# KiCad board splitsbits-left.kicad_pcb
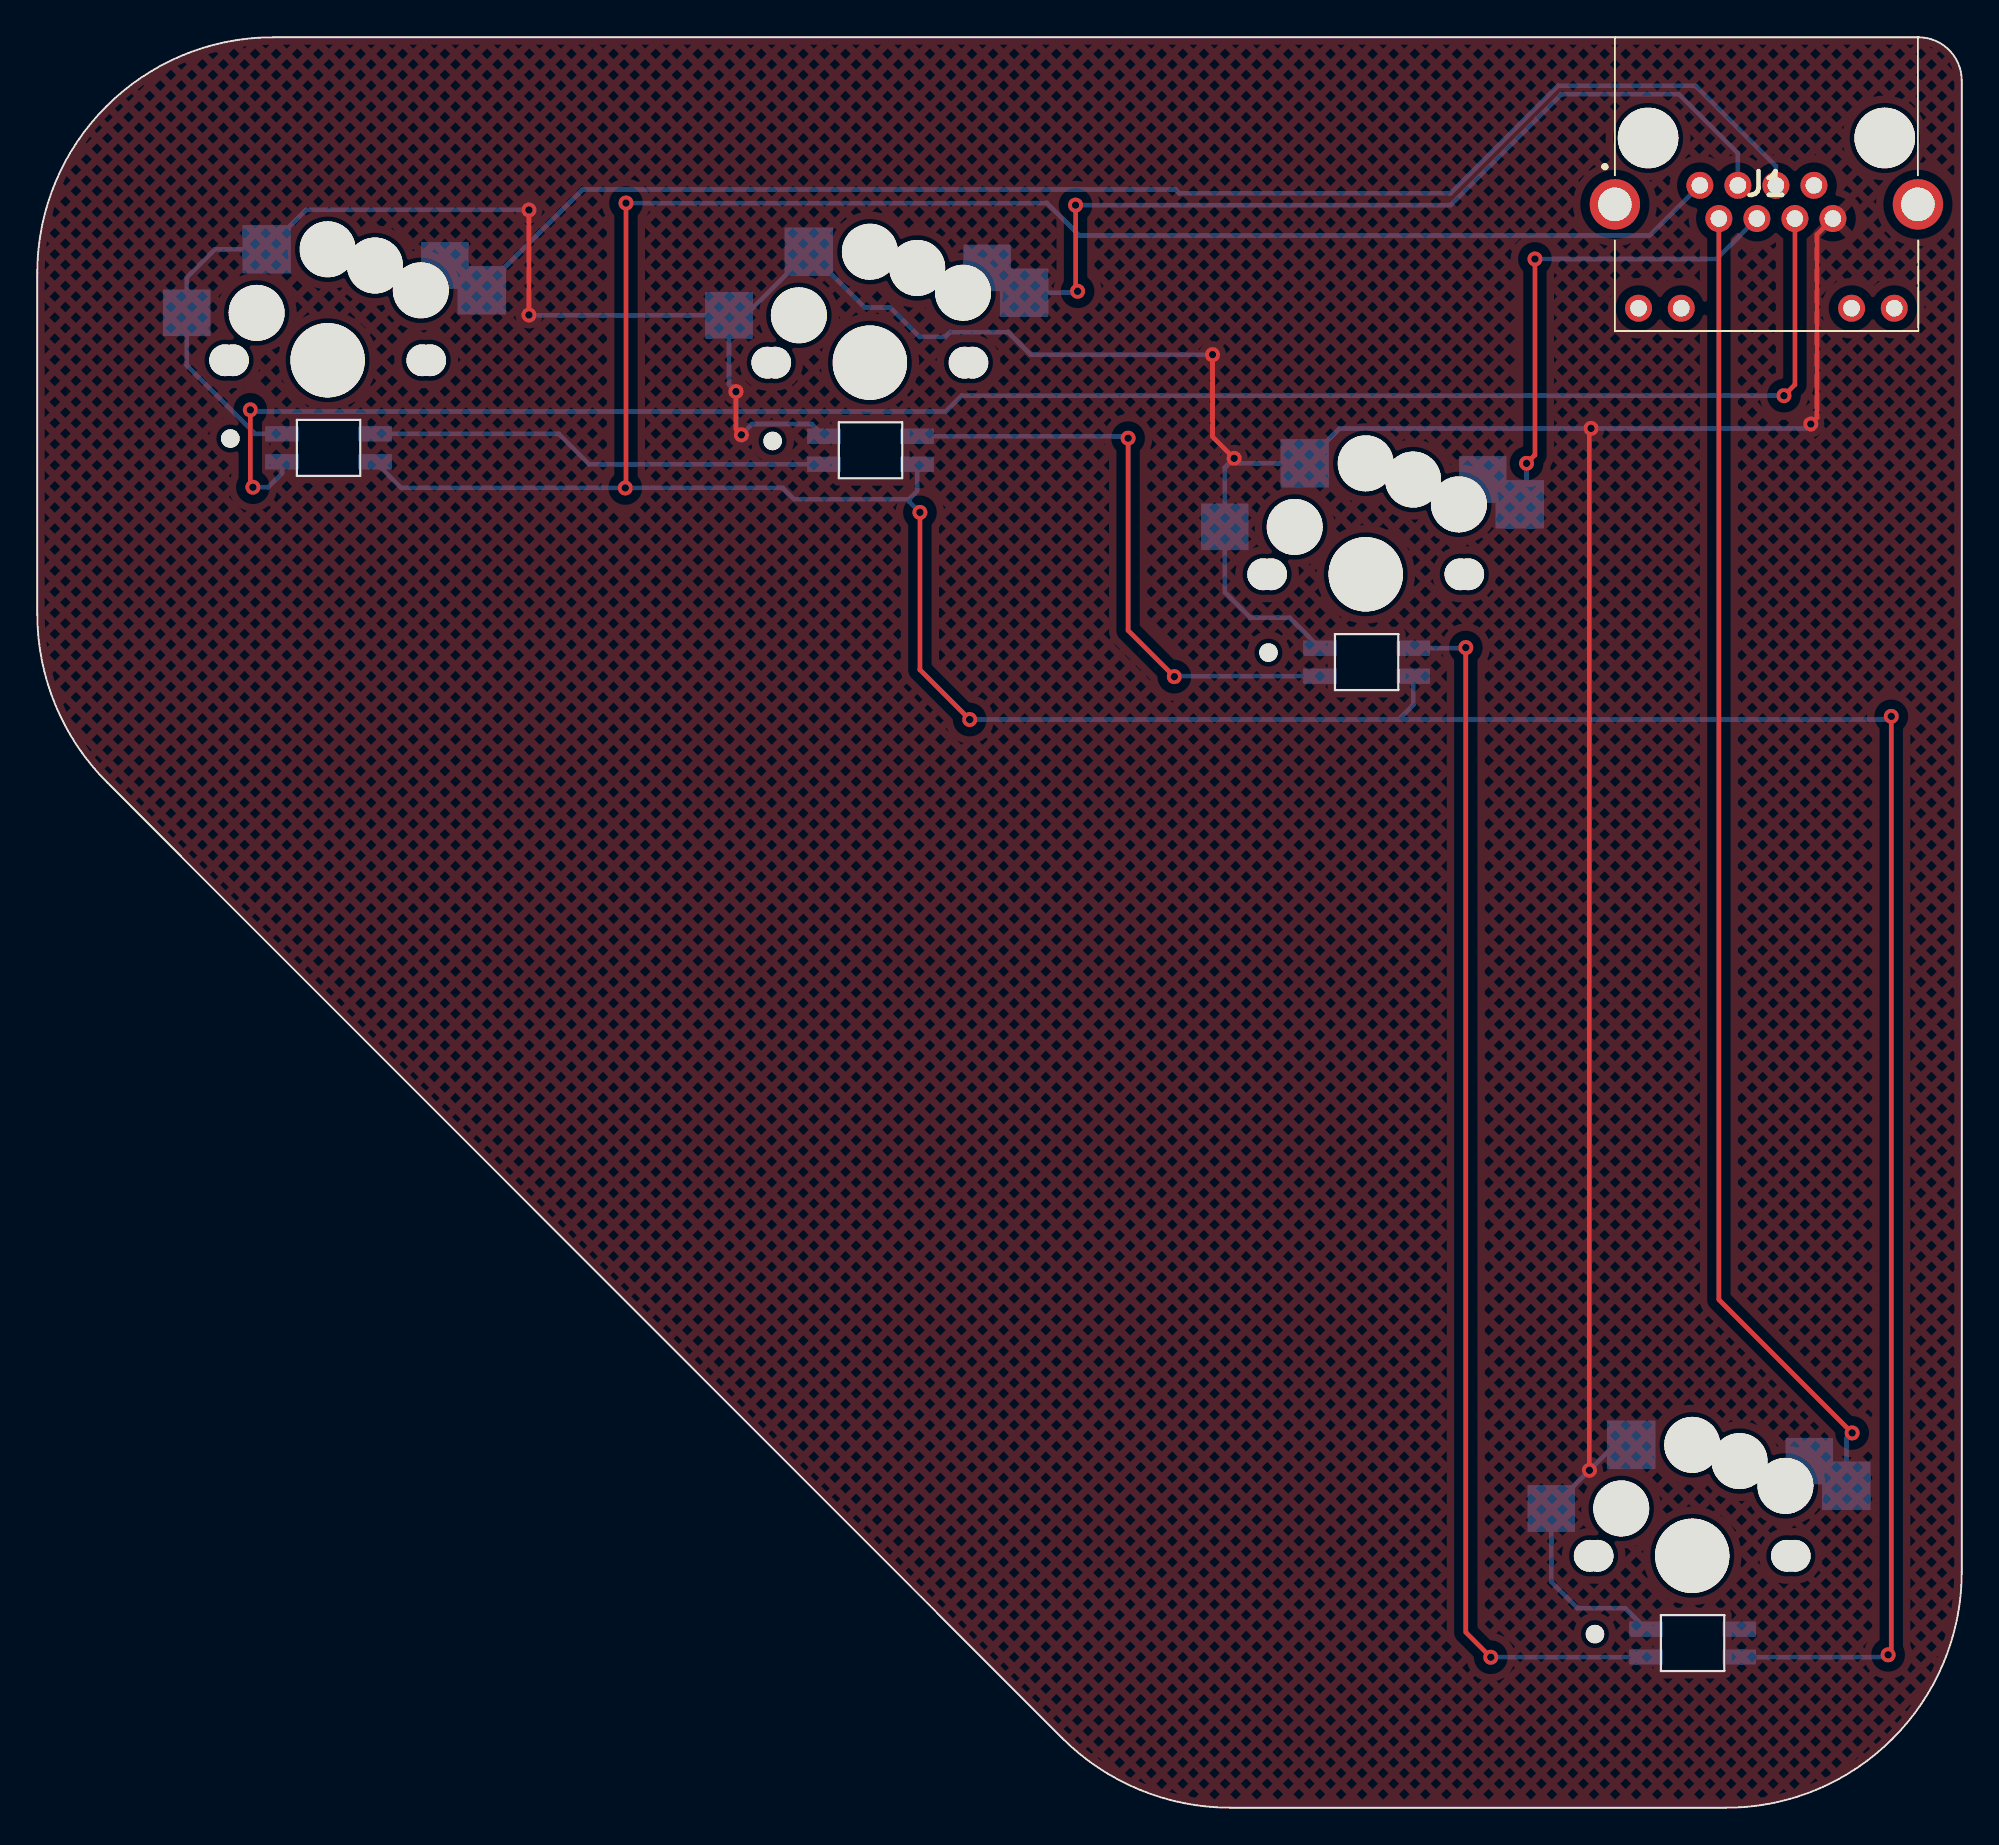
[diagram p0: board, top side]
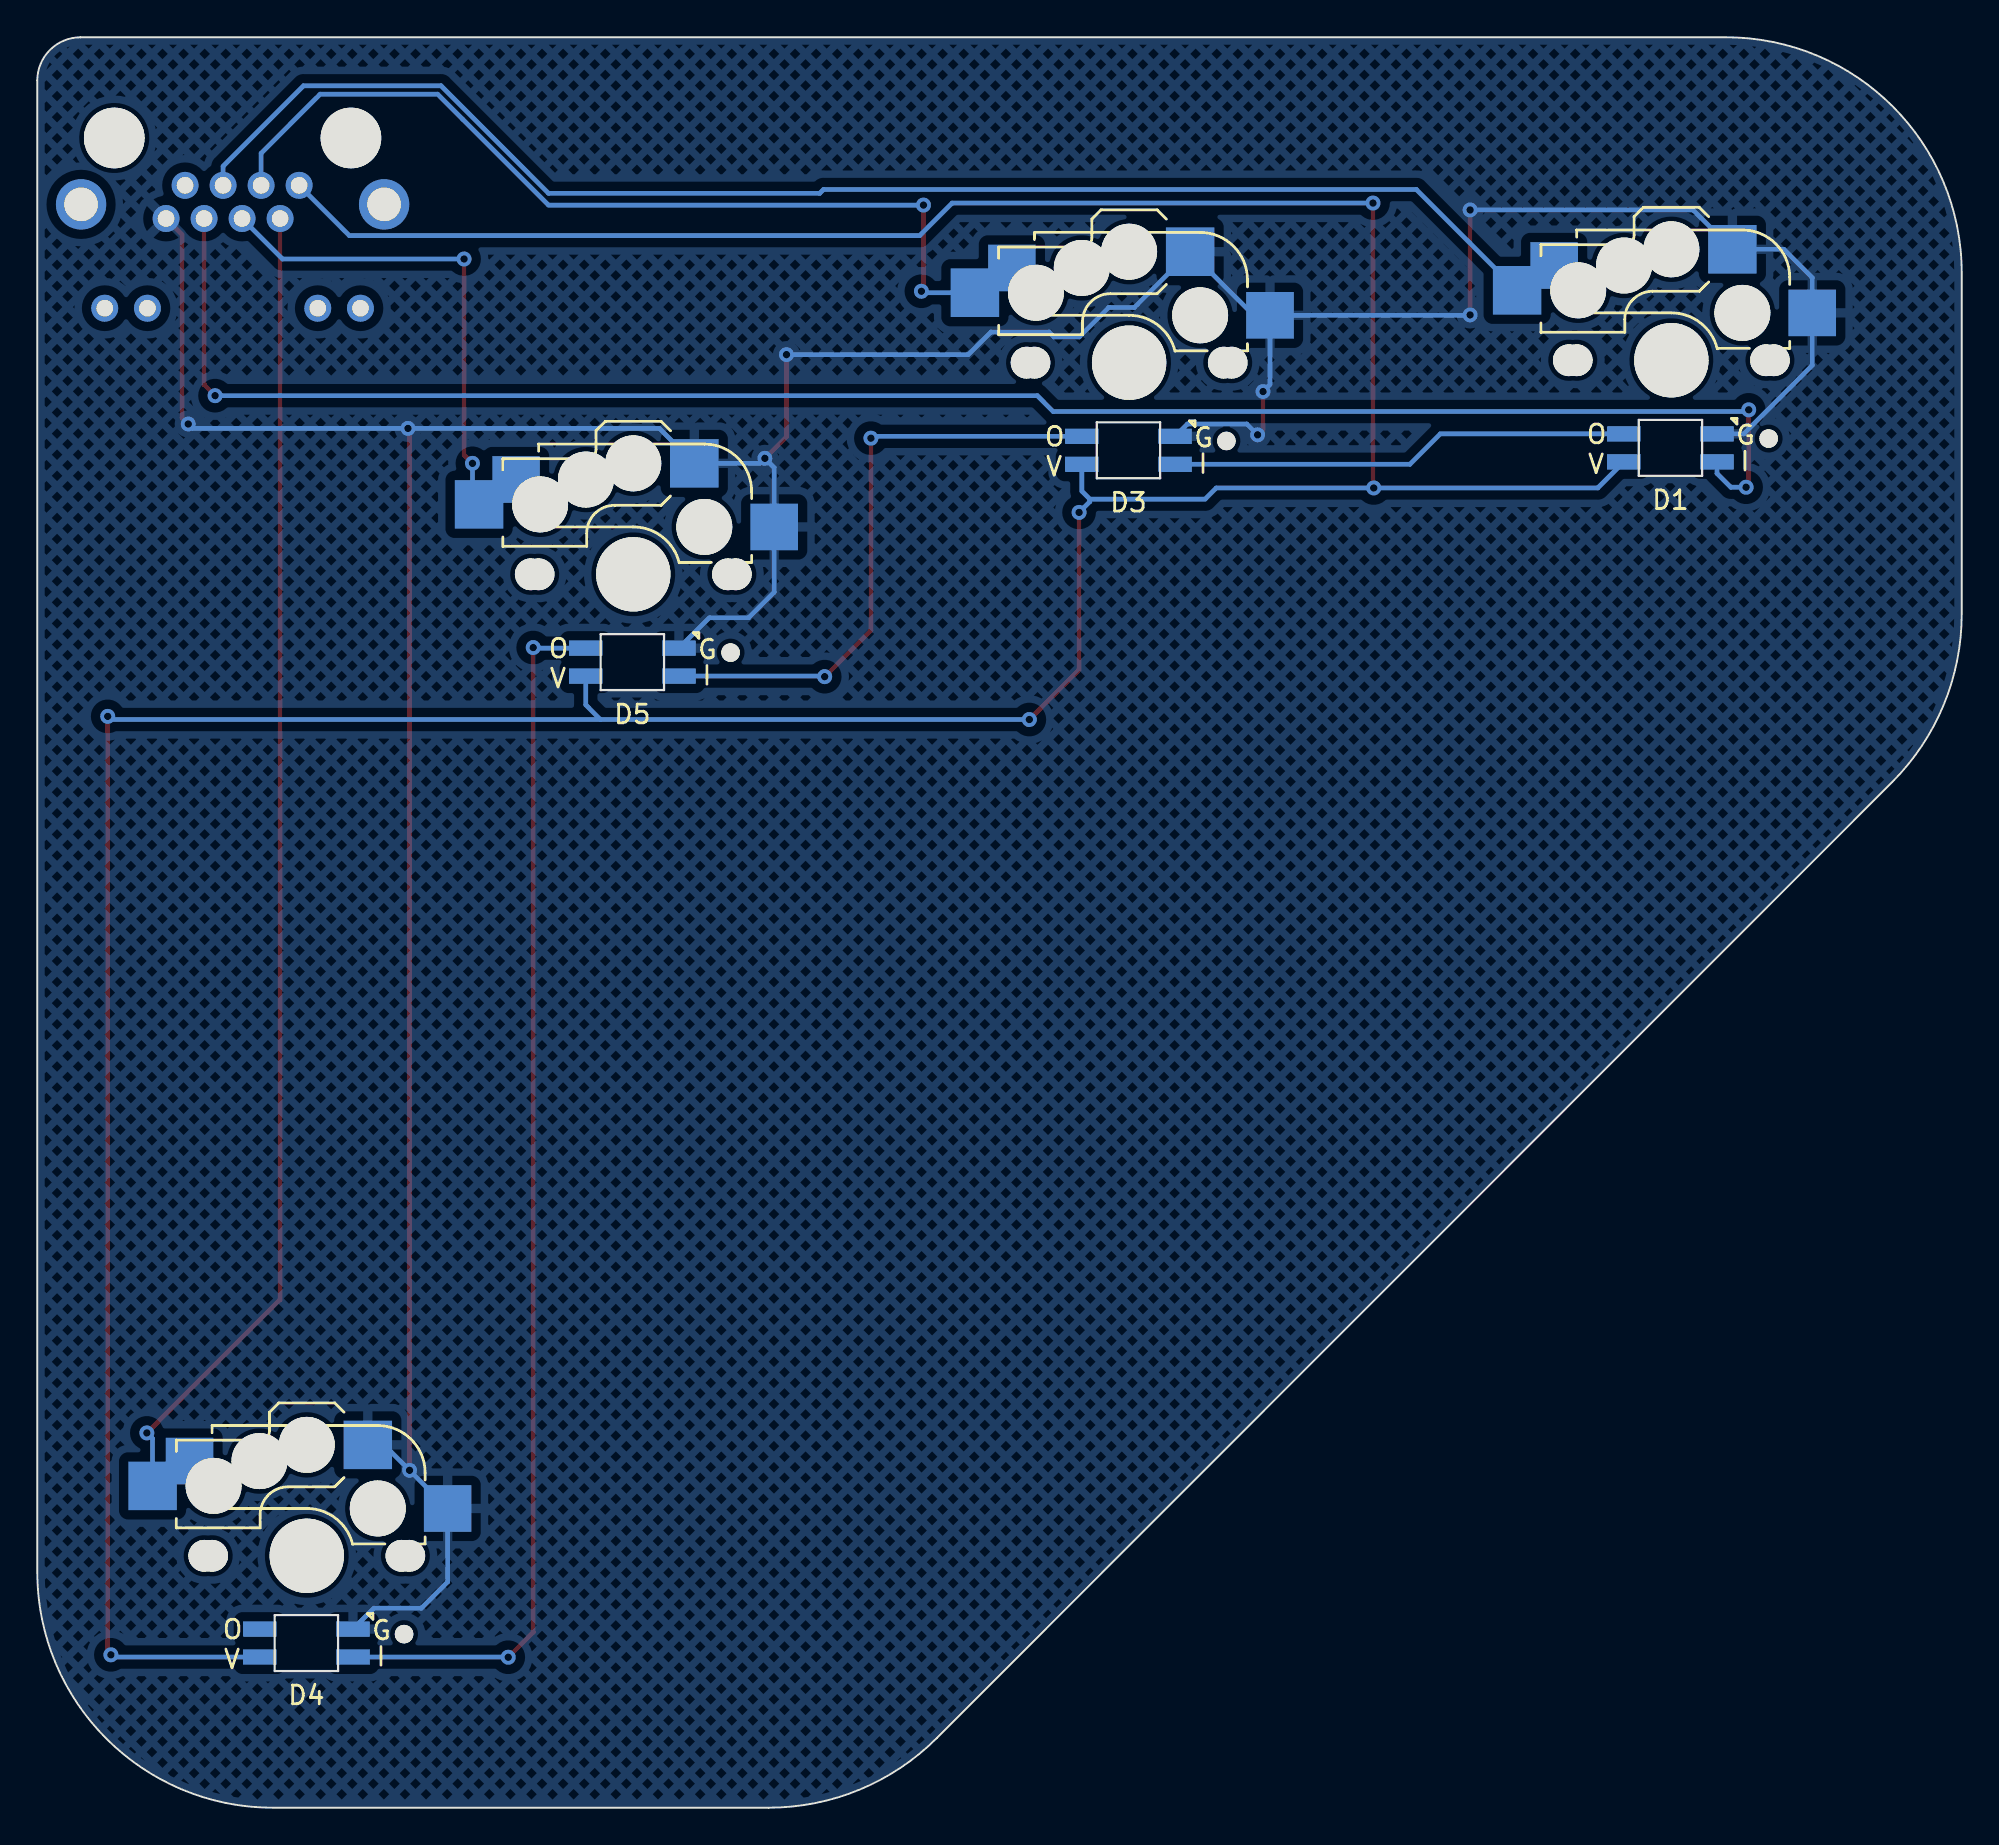
[diagram p1: board, bottom side, seen from below]

Outline 103.26 x 94.95 mm; copper layers: Top, Bottom. Coordinates in mm from the lower left corner of the outline.
Outline path: 0,82.3 arc(3.71,91.25) 12.65,94.95 100.94,94.95 arc(102.58,94.27) 103.26,92.63 103.26,12.65 arc(99.55,3.71) 90.61,0 64.01,0 arc(59.13,0.97) 54.99,3.74 3.74,55 arc(0.97,59.14) 0,64.02 0,82.3

## Placement (name value [footprint] x y rotation side)
D1  SK6812MINI-E_Easy_Solder  [YS-SK6812MINI-E-SingleSide]  15.63 72.93 0 top
D3  SK6812MINI-E_Easy_Solder  [YS-SK6812MINI-E-SingleSide]  44.71 72.8 0 top
D4  SK6812MINI-E_Easy_Solder  [YS-SK6812MINI-E-SingleSide]  88.82 8.83 0 top
D5  SK6812MINI-E_Easy_Solder  [YS-SK6812MINI-E-SingleSide]  71.33 61.44 0 top
J1  RJ45  [RRJ45R08PC000]  89.21 87.01 180 top
SW1  SW_Push_45deg  [Kailh_socket_MX-ChocV1]  15.58 77.63 0 bottom
SW2  SW_Push_45deg  [Kailh_socket_MX-ChocV1]  44.67 77.5 0 bottom
SW3  SW_Push_45deg  [Kailh_socket_MX-ChocV1]  71.28 66.15 0 bottom
SW5  SW_Push_45deg  [Kailh_socket_MX-ChocV1]  88.8 13.51 0 bottom

## Library data of the parts
J1 = -: Description: RJ connector, 8P8C (8 positions 8 connected)
SW1-SW3 SW5 = -: Description: Push button switch, normally open, two pins, 45° tilted

## Footprints (pads in the part's own frame, mm; a bottom-side part is the same pattern mirrored in y, then rotated)
Kailh_socket_MX-ChocV1
  round 1.702 hole 1.702 unplated: (-5.5,0) (-5.08,0) (5.08,0) (5.5,0)
  round 0.991 hole 0.991 unplated: (-5.22,4.2)
  round 3 hole 3 unplated: (-3.81,-2.54) (0,-5.95) (2.54,-5.08) (5,-3.75)
  round 3.429 hole 3.429 unplated: (0,0)
  round 3.988 hole 3.988 unplated: (0,0)
  rect 2.55x2.5 smd: 1(6.29,-5.08) 2(-7.56,-2.54)
  rect 2.6x2.6 smd: 1(8.275,-3.75) 2(-3.275,-5.95)
RRJ45R08PC000
  round 3.25 hole 3.25 unplated: (-9.92,-2.54) (2.78,-2.54)
  round 1.446 hole 0.89: 1(0,0) 2(-1.02,1.78) 3(-2.04,0) 4(-3.06,1.78) 5(-4.08,0) 6(-5.1,1.78) 7(-6.12,0) 8(-7.14,1.78) 9(3.29,6.59) 10(1,6.59) 11(-8.14,6.59) 12(-10.43,6.59)
  round 2.7 hole 1.8: MH1(-11.7,1.02) MH2(4.56,1.02)
YS-SK6812MINI-E-SingleSide
  rect 1.8x0.82 smd far side: 1(2.5,-0.75) 2(2.5,0.75) 3(-2.5,0.75) 4(-2.5,-0.75)

## Nets
GND: D1.3 D3.3 D4.3 D5.3 J1.8 SW1.2 SW2.2 SW3.2 SW5.2
VCC: D1.1 D3.1 D4.1 D5.1 J1.1
Down: J1.3 SW2.1
LED: D1.4 J1.6
Left: J1.5 SW1.1
Right: J1.4 SW3.1
Up: J1.2 SW5.1
Net-(D1-DOUT): D1.2 D3.4
Net-(D3-DOUT): D3.2 D5.4
Net-(D4-DIN): D4.4 D5.2

Pads without a net: D4 2; J1 7 9 10 11 12 MH1 MH2

## Via types
v1: diameter 0.8, hole 0.4, Top to Bottom, 27 vias

## Routing (per net, layer and track width the routed paths; a pad name or vN(x,y) marks a point on that pad's centre or on a via; arc(x,y) is an arc through that point)
GND: length 224
  Top w0.25: v1(26.38,85.69) v1(26.38,80.06) ; v1(63.06,77.93) 63.06,73.53 v1(64.22,72.37) ; v1(37.78,73.63) 37.49,73.92 v1(37.49,75.95) ; v1(95.16,74.21) 95.49,74.54 95.49,84.37 J1.8 ; v1(83.28,18.09) 83.28,73.89 v1(83.37,73.98)
  Bottom w0.25: v1(37.49,75.95) 37.11,76.33 SW2.2 ; D5.3 67.2,63.82 65.09,63.82 63.72,65.19 SW3.2 63.72,71.87 v1(64.22,72.37) 64.49,72.1 SW3.2 69.88,73.98 v1(83.37,73.98) 94.93,73.98 v1(95.16,74.21) ; D1.3 11.69,73.68 8.02,77.35 SW1.2 8.02,82.06 9.54,83.58 SW1.2 14.42,85.69 v1(26.38,85.69) ; SW2.2 26.4,80.04 v1(26.38,80.06) ; SW2.2 37.99,80.04 SW2.2 44.39,80.46 45.77,80.46 47.35,78.88 48.71,78.88 48.97,79.14 52.09,79.14 53.3,77.93 v1(63.06,77.93) ; D4.3 85.2,10.7 82.65,10.7 81.24,12.11 SW5.2 84.65,19.46 SW5.2 ; D3.3 41.55,74.21 38.36,74.21 v1(37.78,73.63)
VCC: length 230.1
  Top w0.25: v1(31.55,70.78) 31.59,70.82 v1(31.59,86.06) ; v1(99.48,58.53) 99.48,8.37 v1(99.31,8.2) ; v1(50.03,58.36) 47.36,61.03 v1(47.36,69.47)
  Bottom w0.25: 46.78,70.18 40.6,70.18 40,70.78 v1(31.55,70.78) 19.53,70.78 D1.1 ; 46.78,70.18 46.78,70.05 v1(47.36,69.47) ; 46.78,70.18 47.21,70.61 D3.1 ; D4.1 99.19,8.08 v1(99.31,8.2) ; v1(50.03,58.36) 73.04,58.36 ; 73.04,58.36 73.83,59.15 D5.1 ; 73.04,58.36 99.31,58.36 v1(99.48,58.53) ; J1.1 86.52,84.31 55.92,84.31 54.17,86.06 v1(31.59,86.06)
Down: length 48.6
  Top w0.25: v1(55.71,85.95) 55.71,81.44 v1(55.82,81.33)
  Bottom w0.25: J1.3 91.25,88.73 88.08,91.9 81.78,91.9 75.83,85.95 v1(55.71,85.95) ; v1(55.82,81.33) 55.74,81.25 SW2.1
LED: length 99.1
  Top w0.25: J1.6 94.31,76.32 v1(93.72,75.73) ; v1(11.57,70.82) 11.43,70.96 v1(11.43,74.97)
  Bottom w0.25: v1(11.43,74.97) 11.52,74.88 48.75,74.88 49.6,75.73 v1(93.72,75.73) ; v1(11.57,70.82) 12.39,70.82 13.13,71.56 D1.4
Left: length 77
  Bottom w0.25: J1.5 93.29,88.03 88.97,92.35 81.59,92.35 75.82,86.58 61.28,86.58 61.08,86.78 29.26,86.78 SW1.1
Right: length 26.3
  Top w0.25: v1(80.36,83.06) 80.36,72.55 v1(79.91,72.1)
  Bottom w0.25: v1(79.91,72.1) 79.91,70.25 SW3.1 ; v1(80.36,83.06) 90.1,83.06 J1.4
Up: length 71.1
  Top w0.25: v1(97.38,20.1) 90.23,27.25 J1.2
  Bottom w0.25: v1(97.38,20.1) 97.07,19.8 97.07,17.26
Net-(D1-DOUT): length 24.8
  Bottom w0.25: D3.4 29.61,72.05 27.98,73.68 D1.2
Net-(D3-DOUT): length 33
  Top w0.25: v1(58.53,73.45) 58.53,63.14 v1(61.01,60.66)
  Bottom w0.25: D5.4 61.04,60.69 v1(61.01,60.66) ; v1(58.53,73.45) 58.43,73.55 D3.2
Net-(D4-DIN): length 65.9
  Top w0.25: v1(76.65,62.22) 76.65,9.41 v1(77.99,8.07)
  Bottom w0.25: D4.4 78,8.08 v1(77.99,8.07) ; v1(76.65,62.22) 76.62,62.19 D5.2

## Copper pours and planes (outline as drawn; the poured copper is in the pictures)
GND on Top, Bottom: -19.12,112.31 128.8,114.44 133.32,-16.45 131.04,-18.73 -18.09,-18.73 -18.28,-18.54
